# EAGLE board ControlModule-pan2 (EAGLE 7.2.0), part 8 of 9 (continued)
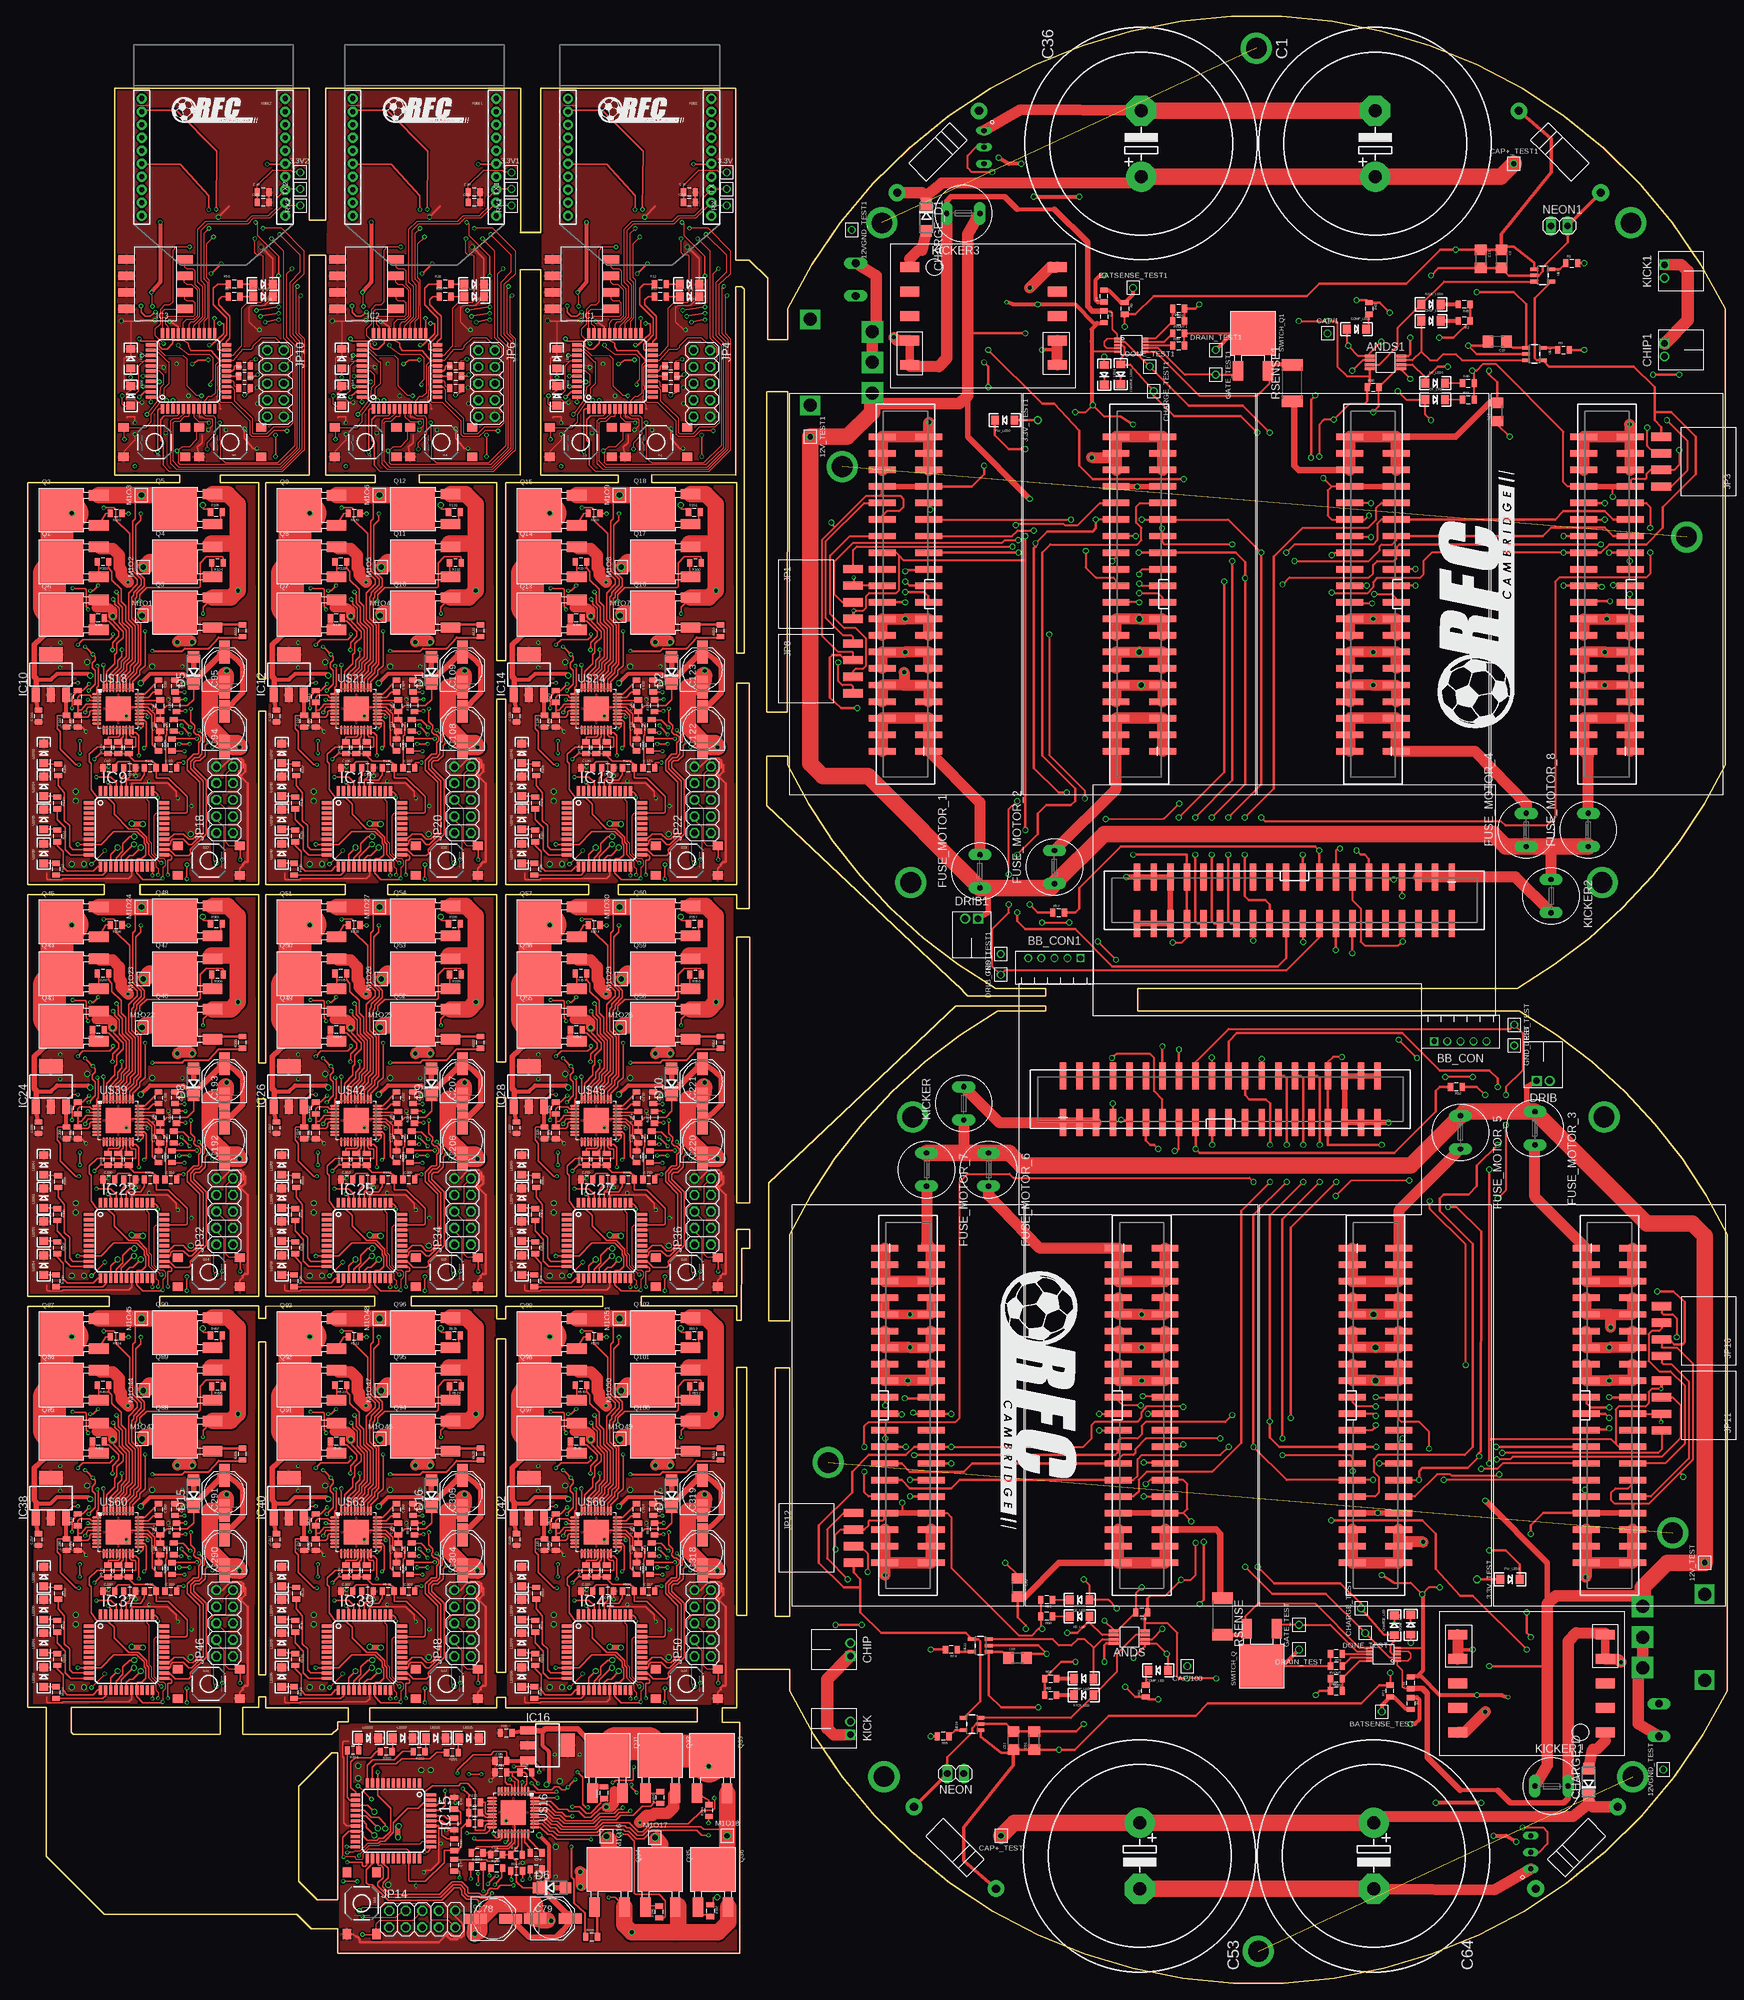
[diagram p0: board, top side]
## Tracks (layer width: path | path; a pad name or v marks a point on that pad's centre or on a via) (continued)
N$596  (via drill 0.3)
  Top 0.254: v98.17,65.29 96.93,66.53 v96.93,66.67
  Bottom 0.254: R545.2 97.41,60.01 97.2,60.01 96.57,60.65 96.57,61.44 96.73,61.6 97.84,61.6 98.79,62.55 98.79,63.34 98.95,63.5 98.95,63.98 98.17,64.76 v98.17,65.29 | v96.93,66.67 93.79,66.68 JP49.25
N$597
  Top 0.254: IC41.40 87.67,58.59 88.15,59.06 88.15,60.06 C315.2
N$598
  Top 0.254: U$66.30 91.25,71.47 C314.1
N$599
  Top 0.254: U$66.28 93.27,70.47 C322.2
N$600
  Top 0.254: U$66.25 91.67,68.97 92.38,68.26 92.38,66.17 92.4,66.16 92.4,66.15 92.44,66.11 92.44,63.71 C313.2
N$601  (via drill 0.3)
  Top 0.254: U$66.20 89.45,65.57 89.58,65.57 89.9,65.57 90.38,65.09 v90.38,62.07 | v97.36,62.71 96.04,62.71 R555.1
  Bottom 0.254: v90.38,62.07 91.81,62.71 v97.36,62.71
N$602
  Top 0.254: U$66.18 88.45,64.52 R566.2
N$603
  Top 0.254: U$66.17 87.95,64.96 87.21,64.22 R561.2
N$604
  Top 0.254: 87.45,65.34 U$66.16 87.45,65.14 87.22,64.91 85.64,64.91 | 85.64,64.91 R567.2 | 85.64,64.91
N$605  (via drill 0.3)
  Top 0.254: U$66.22 90.54,67.47 91.17,67.47 91.49,67.15 91.49,63.5 v91.17,63.19 | v97.52,68.9 96.04,68.9 R568.1
  Bottom 0.254: v91.17,63.19 96.89,63.19 97.36,63.5 97.36,65.07 97.52,65.23 97.52,66.32 97.62,66.42 97.62,67.09 97.84,67.31 97.84,68.58 v97.52,68.9
N$606
  Bottom 0.254: R569.2 96.73,53.34 96.09,53.98 96.09,54.66 95.62,55.14 95.62,55.7 96.09,56.17 96.09,57.19 95.34,57.95 94.03,57.95 | 94.03,57.95 | JP49.31 93.71,59.13 93.71,58.26 94.03,57.95
N$607
  Top 0.254: 81.01,69.06 81.55,69.06 82.33,69.97 U$66.4 | 81.01,69.85 80.95,69.97 R571.1 81.01,70.96 81.34,71.29 82.83,71.29 83.16,70.96 83.3,70.96 U$66.2 | 83.78,68.97 U$66.6 83.05,68.97 82.84,68.76 82.84,68.3 82.52,67.98 81.24,67.98 R570.2
  Top 0.305: R571.1 81.01,69.85 81.01,69.06 R570.2
N$608
  Top 0.254: U$66.29 91.81,70.97 92.6,71.76 93.34,71.76 C314.2
O1  (via drill 0.3, 0.6)
  Top 0.254: 28.36,212.63 Q3.SOURCE 26.88,211.18 v26.88,210.19 | v18,207.49 17.99,207.01 17.99,202.22 17.19,201.43 17.19,200.82 16.11,199.74 U$18.31
  Top 0.813: 28.15,220.91 28.15,220.43 Q4.SOURCE
  Top 2.54: Q5.SOURCE 30.7,228.52 32.24,226.98 32.24,220.5 | 32.24,220.5 v32.24,213.75 31.12,212.63 28.36,212.63 | 32.24,220.5 32.17,220.43 32.17,220.91 28.15,220.91
  Bottom 0.254: v18,207.49 23.26,207.49 24.21,206.54 24.21,204.57 24.72,204.06 27,204.06 27.51,204.57 27.51,208.38 26.75,209.14 26.75,210.06 v26.88,210.19
  Bottom 2.54: R124.2 32.24,211.66 v32.24,213.75
O2  (via drill 0.3, 0.6)
  Top 0.254: 64.87,212.63 Q10.SOURCE 63.39,211.18 v63.39,210.19 | v54.51,207.49 54.5,207.01 54.5,202.22 53.71,201.43 53.71,200.82 52.62,199.74 U$21.31
  Top 0.813: 64.66,220.91 64.66,220.43 Q11.SOURCE
  Top 2.54: Q12.SOURCE 67.21,228.52 68.75,226.98 68.75,220.5 | 68.75,220.5 v68.75,213.75 67.64,212.63 64.87,212.63 | 68.75,220.5 68.68,220.43 68.68,220.91 64.66,220.91
  Bottom 0.254: v54.51,207.49 59.77,207.49 60.72,206.54 60.72,204.57 61.23,204.06 63.52,204.06 64.02,204.57 64.02,208.38 63.26,209.14 63.26,210.06 v63.39,210.19
  Bottom 2.54: R152.2 68.75,211.66 v68.75,213.75
O3  (via drill 0.3, 0.6)
  Top 0.254: 101.7,212.63 Q16.SOURCE 100.22,211.18 v100.22,210.19 | v91.34,207.49 91.33,207.01 91.33,202.22 90.54,201.43 90.54,200.82 89.45,199.74 U$24.31
  Top 0.813: 101.49,220.91 101.49,220.43 Q17.SOURCE
  Top 2.54: Q18.SOURCE 104.04,228.52 105.58,226.98 105.58,220.5 | 105.58,220.5 v105.58,213.75 104.47,212.63 101.7,212.63 | 105.58,220.5 105.51,220.43 105.51,220.91 101.49,220.91
  Bottom 0.254: v91.34,207.49 96.6,207.49 97.55,206.54 97.55,204.57 98.06,204.06 100.35,204.06 100.85,204.57 100.85,208.38 100.09,209.14 100.09,210.06 v100.22,210.19
  Bottom 2.54: R180.2 105.58,211.66 v105.58,213.75
O6  (via drill 0.3, 0.6)
  Top 0.254: 91.54,11.7 Q34.SOURCE 90.09,13.18 v89.1,13.18 | v86.4,22.06 85.92,22.07 81.13,22.07 80.34,22.86 79.73,22.86 78.65,23.95 U$16.31
  Top 0.813: 99.82,11.91 99.34,11.91 Q35.SOURCE
  Top 2.54: Q36.SOURCE 107.43,9.36 105.89,7.81 99.41,7.81 | 99.41,7.81 v92.66,7.81 v92.66,7.82 91.54,8.93 91.54,11.7 | 99.41,7.81 99.34,7.89 99.82,7.89 99.82,11.91
  Bottom 0.254: v86.4,22.06 86.4,16.8 85.45,15.85 83.48,15.85 82.97,15.34 82.97,13.05 83.48,12.54 87.29,12.54 88.05,13.31 88.97,13.31 v89.1,13.18
  Bottom 2.54: R216.2 90.57,7.82 v92.66,7.82
O8  (via drill 0.3, 0.6)
  Top 0.254: 28.36,149.45 Q46.SOURCE 26.88,148 v26.88,147.01 | v18,144.31 17.99,143.83 17.99,139.04 17.19,138.24 17.19,137.64 16.11,136.56 U$39.31
  Top 0.813: 28.15,157.72 28.15,157.24 Q47.SOURCE
  Top 2.54: Q48.SOURCE 30.7,165.34 32.24,163.8 32.24,157.31 | 32.24,157.31 v32.24,150.57 v32.24,150.56 31.12,149.45 28.36,149.45 | 32.24,157.31 32.17,157.24 32.17,157.72 28.15,157.72
  Bottom 0.254: v18,144.31 23.26,144.31 24.21,143.35 24.21,141.39 24.72,140.88 27,140.88 27.51,141.39 27.51,145.2 26.75,145.96 26.75,146.88 v26.88,147.01
  Bottom 2.54: R320.2 32.24,148.48 v32.24,150.56
O9  (via drill 0.3, 0.6)
  Top 0.254: 64.87,149.45 Q52.SOURCE 63.39,148 v63.39,147.01 | v54.51,144.31 54.5,143.83 54.5,139.04 53.71,138.24 53.71,137.64 52.62,136.56 U$42.31
  Top 0.813: 64.66,157.72 64.66,157.24 Q53.SOURCE
  Top 2.54: Q54.SOURCE 67.21,165.34 68.75,163.8 68.75,157.31 | 68.75,157.31 v68.75,150.57 v68.75,150.56 67.64,149.45 64.87,149.45 | 68.75,157.31 68.68,157.24 68.68,157.72 64.66,157.72
  Bottom 0.254: v54.51,144.31 59.77,144.31 60.72,143.35 60.72,141.39 61.23,140.88 63.52,140.88 64.02,141.39 64.02,145.2 63.26,145.96 63.26,146.88 v63.39,147.01
  Bottom 2.54: R348.2 68.75,148.48 v68.75,150.56
O10  (via drill 0.3, 0.6)
  Top 0.254: 101.7,149.45 Q58.SOURCE 100.22,148 v100.22,147.01 | v91.34,144.31 91.33,143.83 91.33,139.04 90.54,138.24 90.54,137.64 89.45,136.56 U$45.31
  Top 0.813: 101.49,157.72 101.49,157.24 Q59.SOURCE
  Top 2.54: Q60.SOURCE 104.04,165.34 105.58,163.8 105.58,157.31 | 105.58,157.31 v105.58,150.57 v105.58,150.56 104.47,149.45 101.7,149.45 | 105.58,157.31 105.51,157.24 105.51,157.72 101.49,157.72
  Bottom 0.254: v91.34,144.31 96.6,144.31 97.55,143.35 97.55,141.39 98.06,140.88 100.35,140.88 100.85,141.39 100.85,145.2 100.09,145.96 100.09,146.88 v100.22,147.01
  Bottom 2.54: R376.2 105.58,148.48 v105.58,150.56
O15  (via drill 0.3, 0.6)
  Top 0.254: 28.36,86.26 Q88.SOURCE 26.88,84.82 v26.88,83.82 | v18,81.13 17.99,80.65 17.99,75.85 17.19,75.06 17.19,74.46 16.11,73.37 U$60.31
  Top 0.813: 28.15,94.54 28.15,94.06 Q89.SOURCE
  Top 2.54: Q90.SOURCE 30.7,102.16 32.24,100.62 32.24,94.13 | 32.24,94.13 v32.24,87.38 31.12,86.26 28.36,86.26 | 32.24,94.13 32.17,94.06 32.17,94.54 28.15,94.54
  Bottom 0.254: v18,81.13 23.26,81.12 24.21,80.17 24.21,78.2 24.72,77.7 27,77.7 27.51,78.2 27.51,82.01 26.75,82.78 26.75,83.7 v26.88,83.82
  Bottom 2.54: R516.2 32.24,85.3 v32.24,87.38
O16  (via drill 0.3, 0.6)
  Top 0.254: 64.87,86.26 Q94.SOURCE 63.39,84.82 v63.39,83.82 | v54.51,81.13 54.5,80.65 54.5,75.85 53.71,75.06 53.71,74.46 52.62,73.37 U$63.31
  Top 0.813: 64.66,94.54 64.66,94.06 Q95.SOURCE
  Top 2.54: Q96.SOURCE 67.21,102.16 68.75,100.62 68.75,94.13 | 68.75,94.13 v68.75,87.38 67.64,86.26 64.87,86.26 | 68.75,94.13 68.68,94.06 68.68,94.54 64.66,94.54
  Bottom 0.254: v54.51,81.13 59.77,81.12 60.72,80.17 60.72,78.2 61.23,77.7 63.52,77.7 64.02,78.2 64.02,82.01 63.26,82.78 63.26,83.7 v63.39,83.82
  Bottom 2.54: R544.2 68.75,85.3 v68.75,87.38
O17  (via drill 0.3, 0.6)
  Top 0.254: 101.7,86.26 Q100.SOURCE 100.22,84.82 v100.22,83.82 | v91.34,81.13 91.33,80.65 91.33,75.85 90.54,75.06 90.54,74.46 89.45,73.37 U$66.31
  Top 0.813: 101.49,94.54 101.49,94.06 Q101.SOURCE
  Top 2.54: Q102.SOURCE 104.04,102.16 105.58,100.62 105.58,94.13 | 105.58,94.13 v105.58,87.38 104.47,86.26 101.7,86.26 | 105.58,94.13 105.51,94.06 105.51,94.54 101.49,94.54
  Bottom 0.254: v91.34,81.13 96.6,81.12 97.55,80.17 97.55,78.2 98.06,77.7 100.35,77.7 100.85,78.2 100.85,82.01 100.09,82.78 100.09,83.7 v100.22,83.82
  Bottom 2.54: R572.2 105.58,85.3 v105.58,87.38
PWM1  (via drill 0.3)
  Top 0.152: 18.55,173.25 19.73,172.09 19.73,171.29 19.98,171.04 v19.98,170.1
  Top 0.254: U$18.19 15.61,192.55 15.61,191.54 15.6,191.54 15.91,191.23 16.46,191.23 16.56,191.14 16.56,189.74 10.68,189.74 9.41,188.6 9.41,187.49 9.73,187.17 9.73,183.2 10.68,181.93 12.27,181.93 13.22,180.98 13.22,179.4 15.46,177.16 16.91,177.16 18.25,175.82 18.25,175.12 18.55,174.82 18.55,173.25 | IC9.23 20.92,173.2 21.01,173.11 21.88,173.11 22.11,172.88 22.11,172.56 21.96,172.41 21.48,172.41 v21.48,170.11 v21.49,170.11
  Bottom 0.152: v19.98,170.1 20.25,170.37 21.23,170.37 v21.49,170.11
PWM2  (via drill 0.3)
  Top 0.152: 55.06,173.25 56.25,172.09 56.25,171.29 56.5,171.04 v56.5,170.1
  Top 0.254: U$21.19 52.12,192.55 52.12,191.54 52.42,191.23 52.97,191.23 53.07,191.14 53.07,189.74 47.2,189.74 45.93,188.6 45.93,187.49 46.24,187.17 46.24,183.2 47.2,181.93 48.78,181.93 49.74,180.98 49.74,179.4 51.98,177.16 53.42,177.16 54.77,175.82 54.77,175.12 55.06,174.82 55.06,173.25 | IC11.23 57.44,173.2 57.52,173.11 58.39,173.11 58.63,172.88 58.63,172.56 58.47,172.41 57.99,172.41 v57.99,170.11 v58,170.11
  Bottom 0.152: v56.5,170.1 56.76,170.37 57.74,170.37 v58,170.11
PWM3  (via drill 0.3)
  Top 0.152: 91.89,173.25 93.08,172.09 93.08,171.29 93.33,171.04 v93.33,170.1
  Top 0.254: U$24.19 88.95,192.55 88.95,191.54 89.25,191.23 89.8,191.23 89.9,191.14 89.9,189.74 84.03,189.74 82.76,188.6 82.76,187.49 83.07,187.17 83.07,183.2 84.03,181.93 85.61,181.93 86.57,180.98 86.57,179.4 88.81,177.16 90.25,177.16 91.6,175.82 91.6,175.12 91.89,174.82 91.89,173.25 | IC13.23 94.27,173.2 94.35,173.11 95.22,173.11 95.46,172.88 95.46,172.56 95.3,172.41 94.82,172.41 v94.82,170.11 v94.83,170.11
  Bottom 0.152: v93.33,170.1 93.59,170.37 94.57,170.37 v94.83,170.11
PWM6  (via drill 0.3)
  Top 0.152: 52.16,21.51 51,20.32 50.21,20.32 49.95,20.07 v49.01,20.07
  Top 0.254: U$16.19 71.47,24.45 70.45,24.45 70.15,24.15 70.15,23.59 70.05,23.5 68.65,23.5 68.65,29.37 67.51,30.64 66.4,30.64 66.08,30.32 62.11,30.32 60.84,29.37 60.84,27.78 59.89,26.83 58.31,26.83 56.07,24.59 56.07,23.15 54.73,21.8 54.03,21.8 53.73,21.5 52.17,21.5 52.16,21.51 | IC15.23 52.11,19.13 52.03,19.05 52.03,18.17 51.79,17.94 51.48,17.94 51.32,18.1 51.32,18.58 49.02,18.58 v49.02,18.57
  Bottom 0.152: v49.01,20.07 49.28,19.8 49.28,18.83 v49.02,18.57
PWM8  (via drill 0.3)
  Top 0.152: 18.55,110.07 19.73,108.91 19.73,108.11 19.98,107.86 v19.98,106.92
  Top 0.254: U$39.19 15.61,129.37 15.61,128.36 15.6,128.36 15.91,128.05 16.46,128.05 16.56,127.96 16.56,126.56 10.68,126.56 9.41,125.42 9.41,124.3 9.73,123.99 9.73,120.02 10.68,118.75 12.27,118.75 13.22,117.8 13.22,116.22 15.46,113.98 16.91,113.98 18.25,112.64 18.25,111.94 18.55,111.64 18.55,110.07 | IC23.23 20.92,110.02 21.01,109.93 21.88,109.93 22.11,109.7 22.11,109.38 21.96,109.22 21.48,109.22 21.48,106.93 v21.49,106.92
  Bottom 0.152: v19.98,106.92 20.25,107.18 21.23,107.18 v21.49,106.92
PWM9  (via drill 0.3)
  Top 0.152: 55.06,110.07 56.25,108.91 56.25,108.11 56.5,107.86 v56.5,106.92
  Top 0.254: U$42.19 52.12,129.37 52.12,128.36 52.42,128.05 52.97,128.05 53.07,127.96 53.07,126.56 47.2,126.56 45.93,125.42 45.93,124.3 46.24,123.99 46.24,120.02 47.2,118.75 48.78,118.75 49.74,117.8 49.74,116.22 51.98,113.98 53.42,113.98 54.77,112.64 54.77,111.94 55.06,111.64 55.06,110.07 | IC25.23 57.44,110.02 57.52,109.93 58.39,109.93 58.63,109.7 58.63,109.38 58.47,109.22 57.99,109.22 57.99,106.93 v58,106.92
  Bottom 0.152: v56.5,106.92 56.76,107.18 57.74,107.18 v58,106.92
PWM10  (via drill 0.3)
  Top 0.152: 91.89,110.07 93.08,108.91 93.08,108.11 93.33,107.86 v93.33,106.92
  Top 0.254: U$45.19 88.95,129.37 88.95,128.36 89.25,128.05 89.8,128.05 89.9,127.96 89.9,126.56 84.03,126.56 82.76,125.42 82.76,124.3 83.07,123.99 83.07,120.02 84.03,118.75 85.61,118.75 86.57,117.8 86.57,116.22 88.81,113.98 90.25,113.98 91.6,112.64 91.6,111.94 91.89,111.64 91.89,110.07 | IC27.23 94.27,110.02 94.35,109.93 95.22,109.93 95.46,109.7 95.46,109.38 95.3,109.22 94.82,109.22 94.82,106.93 v94.83,106.92
  Bottom 0.152: v93.33,106.92 93.59,107.18 94.57,107.18 v94.83,106.92
PWM15  (via drill 0.3)
  Top 0.152: 18.55,46.89 19.73,45.72 19.73,44.93 19.98,44.68 v19.98,43.73
  Top 0.254: U$60.19 15.61,66.19 15.61,65.18 15.6,65.17 15.91,64.87 16.46,64.87 16.56,64.77 16.56,63.38 10.68,63.38 9.41,62.23 9.41,61.12 9.73,60.8 9.73,56.84 10.68,55.57 12.27,55.57 13.22,54.61 13.22,53.04 15.46,50.8 16.91,50.8 18.25,49.45 18.25,48.76 18.55,48.46 18.55,46.89 | IC37.23 20.92,46.83 21.01,46.75 21.88,46.75 22.11,46.52 22.11,46.2 21.96,46.04 21.48,46.04 v21.48,43.75 v21.49,43.74
  Bottom 0.152: v19.98,43.73 20.25,44 21.23,44 v21.49,43.74
PWM16  (via drill 0.3)
  Top 0.152: 55.06,46.89 56.25,45.72 56.25,44.93 56.5,44.68 v56.5,43.73
  Top 0.254: U$63.19 52.12,66.19 52.12,65.18 52.12,65.17 52.42,64.87 52.97,64.87 53.07,64.77 53.07,63.38 47.2,63.38 45.93,62.23 45.93,61.12 46.24,60.8 46.24,56.84 47.2,55.57 48.78,55.57 49.74,54.61 49.74,53.04 51.98,50.8 53.42,50.8 54.77,49.45 54.77,48.76 55.06,48.46 55.06,46.89 | IC39.23 57.44,46.83 57.52,46.75 58.39,46.75 58.63,46.52 58.63,46.2 58.47,46.04 57.99,46.04 v57.99,43.75 v58,43.74
  Bottom 0.152: v56.5,43.73 56.76,44 57.74,44 v58,43.74
PWM17  (via drill 0.3)
  Top 0.152: 91.89,46.89 93.08,45.72 93.08,44.93 93.33,44.68 v93.33,43.73
  Top 0.254: U$66.19 88.95,66.19 88.95,65.18 88.95,65.17 89.25,64.87 89.8,64.87 89.9,64.77 89.9,63.38 84.03,63.38 82.76,62.23 82.76,61.12 83.07,60.8 83.07,56.84 84.03,55.57 85.61,55.57 86.57,54.61 86.57,53.04 88.81,50.8 90.25,50.8 91.6,49.45 91.6,48.76 91.89,48.46 91.89,46.89 | IC41.23 94.27,46.83 94.35,46.75 95.22,46.75 95.46,46.52 95.46,46.2 95.3,46.04 94.82,46.04 v94.82,43.75 v94.83,43.74
  Bottom 0.152: v93.33,43.73 93.59,44 94.57,44 v94.83,43.74
RESET  (via drill 0.38, 0.41 pad 0.25)
  Top 0.152: IC1.35 85.13,250.62 86.9,248.85 87.06,248.85 87.06,245.51 86.26,244.72 86.26,243.93 85.71,242.74 84.36,240.83
  Top 0.178: v80.23,236.94 80.23,238.73 S3.4 83.46,238.75 84.36,239.64 84.36,240.83
  Top 0.254: v103.41,237.58 v103.41,234.27
  Bottom 0.178: v103.41,234.27 101.18,232.18 82.45,232.18 v81.82,232.81 81.5,233.13 81.5,235.67 v80.23,236.94
  Bottom 0.254: R22.1 81.55,233.08 v81.82,232.81 | v103.41,237.58 103.41,244.24 JP4.6
RESET1  (via drill 0.38, 0.41 pad 0.25)
  Top 0.152: IC2.35 52.11,250.62 53.88,248.85 54.04,248.85 54.04,245.51 53.24,244.72 53.24,243.93 52.69,242.74 51.34,240.83
  Top 0.178: v47.21,236.94 47.21,238.73 S2.4 50.44,238.75 51.34,239.64 51.34,240.83
  Top 0.254: v70.39,237.58 v70.39,234.27
  Bottom 0.178: v70.39,234.27 68.16,232.18 49.43,232.18 v48.8,232.81 48.48,233.13 48.48,235.67 v47.21,236.94
  Bottom 0.254: R34.1 48.53,233.08 v48.8,232.81 | v70.39,237.58 70.39,244.24 JP6.6
RESET2  (via drill 0.38, 0.41 pad 0.25)
  Top 0.152: IC3.35 19.72,250.62 21.49,248.85 21.65,248.85 21.65,245.51 20.86,244.72 20.86,243.93 20.3,242.74 18.95,240.83
  Top 0.178: v14.82,236.94 14.82,238.73 S5.4 18.06,238.75 18.95,239.64 18.95,240.83
  Top 0.254: v38,237.58 v38,234.27
  Bottom 0.178: v38,234.27 35.78,232.18 17.05,232.18 v16.41,232.81 16.09,233.13 16.09,235.67 v14.82,236.94
  Bottom 0.254: R62.1 16.15,233.08 v16.41,232.81 | v38,237.58 38,244.24 JP10.6
RESET6  (via drill 0.3, 0.38)
  Top 0.152: v50.84,19.57 51,19.85 52.27,21.12 53.86,21.12 54.17,21.43 60.21,21.43 60.52,21.75 61.38,21.75 | S11.2 53.47,9.14 54.02,9.69 59.1,9.69 JP14.6
  Top 0.254: v50.55,15.64 v48.38,15.67 | 61.38,21.75 IC15.35 | v51.35,7.47 53.39,7.46 S11.2
  Bottom 0.178: R209.1 50.1,12.34 50.05,12.39 50.05,15.17 50.53,15.65 50.61,15.65 50.68,15.72
  Bottom 0.254: v50.84,19.57 50.68,19.37 50.68,15.72 v50.55,15.64 | v48.38,15.67 48.33,10.13 49.25,9.21 49.61,9.21 v51.35,7.47
RESET8  (via drill 0.3, 0.38)
  Top 0.152: v20.49,171.92 20.21,172.09 18.94,173.36 18.94,174.95 18.62,175.26 18.62,181.3 18.3,181.61 18.3,182.47 | S17.2 30.92,174.56 30.37,175.1 30.37,180.18 JP18.6
  Top 0.254: v24.42,171.64 v24.39,169.47 | 18.3,182.47 IC9.35 | v32.59,172.44 32.59,174.48 S17.2
  Bottom 0.178: R117.1 27.72,171.19 27.67,171.14 24.89,171.14 24.41,171.62 24.41,171.7 24.34,171.77
  Bottom 0.254: v20.49,171.92 20.69,171.77 24.34,171.77 v24.42,171.64 | v24.39,169.47 29.92,169.42 30.85,170.34 30.85,170.69 v32.59,172.44
RESET9  (via drill 0.3, 0.38)
  Top 0.152: v57,171.92 56.72,172.09 55.45,173.36 55.45,174.95 55.13,175.26 55.13,181.3 54.82,181.61 54.82,182.47 | S18.2 67.43,174.56 66.88,175.1 66.88,180.18 JP20.6
  Top 0.254: v60.93,171.64 v60.9,169.47 | 54.82,182.47 IC11.35 | v69.1,172.44 69.1,174.48 S18.2
  Bottom 0.178: R145.1 64.23,171.19 64.18,171.14 61.4,171.14 60.92,171.62 60.92,171.7 60.85,171.77
  Bottom 0.254: v57,171.92 57.2,171.77 60.85,171.77 v60.93,171.64 | v60.9,169.47 66.43,169.42 67.36,170.34 67.36,170.69 v69.1,172.44
RESET10  (via drill 0.3, 0.38)
  Top 0.152: v93.83,171.92 93.55,172.09 92.28,173.36 92.28,174.95 91.96,175.26 91.96,181.3 91.65,181.61 91.65,182.47 | S19.2 104.26,174.56 103.71,175.1 103.71,180.18 JP22.6
  Top 0.254: v97.76,171.64 v97.73,169.47 | 91.65,182.47 IC13.35 | v105.93,172.44 105.93,174.48 S19.2
  Bottom 0.178: R173.1 101.06,171.19 101.01,171.14 98.23,171.14 97.75,171.62 97.75,171.7 97.68,171.77
  Bottom 0.254: v93.83,171.92 94.03,171.77 97.68,171.77 v97.76,171.64 | v97.73,169.47 103.26,169.42 104.19,170.34 104.19,170.69 v105.93,172.44
RESET15  (via drill 0.3, 0.38)
  Top 0.152: v20.49,108.74 20.21,108.91 18.94,110.18 18.94,111.76 18.62,112.08 18.62,118.11 18.3,118.43 18.3,119.28 | S24.2 30.92,111.37 30.37,111.92 30.37,117 JP32.6
  Top 0.254: v24.42,108.46 v24.39,106.29 | 18.3,119.28 IC23.35 | v32.59,109.25 32.59,111.3 S24.2
  Bottom 0.178: R313.1 27.72,108 27.67,107.95 24.89,107.95 24.41,108.44 24.41,108.52 24.34,108.59
  Bottom 0.254: v20.49,108.74 20.69,108.59 24.34,108.59 v24.42,108.46 | v24.39,106.29 29.92,106.24 30.85,107.16 30.85,107.51 v32.59,109.25
RESET16  (via drill 0.3, 0.38)
  Top 0.152: v57,108.74 56.72,108.91 55.45,110.18 55.45,111.76 55.13,112.08 55.13,118.11 54.82,118.43 54.82,119.28 | S25.2 67.43,111.37 66.88,111.92 66.88,117 JP34.6
  Top 0.254: v60.93,108.46 v60.9,106.29 | 54.82,119.28 IC25.35 | v69.1,109.25 69.1,111.3 S25.2
  Bottom 0.178: R341.1 64.23,108 64.18,107.95 61.4,107.95 60.92,108.44 60.92,108.52 60.85,108.59
  Bottom 0.254: v57,108.74 57.2,108.59 60.85,108.59 v60.93,108.46 | v60.9,106.29 66.43,106.24 67.36,107.16 67.36,107.51 v69.1,109.25
RESET17  (via drill 0.3, 0.38)
  Top 0.152: v93.83,108.74 93.55,108.91 92.28,110.18 92.28,111.76 91.96,112.08 91.96,118.11 91.65,118.43 91.65,119.28 | S26.2 104.26,111.37 103.71,111.92 103.71,117 JP36.6
  Top 0.254: v97.76,108.46 v97.73,106.29 | 91.65,119.28 IC27.35 | v105.93,109.25 105.93,111.3 S26.2
  Bottom 0.178: R369.1 101.06,108 101.01,107.95 98.23,107.95 97.75,108.44 97.75,108.52 97.68,108.59
  Bottom 0.254: v93.83,108.74 94.03,108.59 97.68,108.59 v97.76,108.46 | v97.73,106.29 103.26,106.24 104.19,107.16 104.19,107.51 v105.93,109.25
RESET22  (via drill 0.3, 0.38)
  Top 0.152: v20.49,45.56 20.21,45.72 18.94,46.99 18.94,48.58 18.62,48.9 18.62,54.93 18.3,55.25 18.3,56.1 | S31.2 30.92,48.19 30.37,48.74 30.37,53.82 JP46.6
  Top 0.254: v24.42,45.28 v24.39,43.1 | 18.3,56.1 IC37.35 | v32.59,46.07 32.59,48.11 S31.2
  Bottom 0.178: R509.1 27.72,44.82 27.67,44.77 24.89,44.77 24.41,45.25 24.41,45.34 24.34,45.41
  Bottom 0.254: v20.49,45.56 20.69,45.41 24.34,45.41 v24.42,45.28 | v24.39,43.1 29.92,43.05 30.85,43.98 30.85,44.33 v32.59,46.07
RESET23  (via drill 0.3, 0.38)
  Top 0.152: v57,45.56 56.72,45.72 55.45,46.99 55.45,48.58 55.13,48.9 55.13,54.93 54.82,55.25 54.82,56.1 | S32.2 67.43,48.19 66.88,48.74 66.88,53.82 JP48.6
  Top 0.254: v60.93,45.28 v60.9,43.1 | 54.82,56.1 IC39.35 | v69.1,46.07 69.1,48.11 S32.2
  Bottom 0.178: R537.1 64.23,44.82 64.18,44.77 61.4,44.77 60.92,45.25 60.92,45.34 60.85,45.41
  Bottom 0.254: v57,45.56 57.2,45.41 60.85,45.41 v60.93,45.28 | v60.9,43.1 66.43,43.05 67.36,43.98 67.36,44.33 v69.1,46.07
RESET24  (via drill 0.3, 0.38)
  Top 0.152: v93.83,45.56 93.55,45.72 92.28,46.99 92.28,48.58 91.96,48.9 91.96,54.93 91.65,55.25 91.65,56.1 | S33.2 104.26,48.19 103.71,48.74 103.71,53.82 JP50.6
  Top 0.254: v97.76,45.28 v97.73,43.1 | 91.65,56.1 IC41.35 | v105.93,46.07 105.93,48.11 S33.2
  Bottom 0.178: R565.1 101.06,44.82 101.01,44.77 98.23,44.77 97.75,45.25 97.75,45.34 97.68,45.41
  Bottom 0.254: v93.83,45.56 94.03,45.41 97.68,45.41 v97.76,45.28 | v97.73,43.1 103.26,43.05 104.19,43.98 104.19,44.33 v105.93,46.07
RLED1  (via drill 0.41)
  Top 0.152: v81.18,243.61 81.58,243.61 82.45,244.4 82.45,248.21 83.25,249.01 84.26,249.01
  Top 0.254: 84.26,249.01 IC1.37
  Bottom 0.178: 82.08,244.51 v81.18,243.61
  Bottom 0.254: R11.2 82.08,244.51
RLED2
  Top 0.254: IC1.22 95.87,251.95 96.42,252.5 96.42,255.83 96.26,255.99 95.87,256.39 95.86,256.39 94.68,257.58 94.68,258.37 95.15,258.85 R17.2
RLED3  (via drill 0.41)
  Top 0.152: v48.16,243.61 48.56,243.61 49.43,244.4 49.43,248.21 50.23,249.01 51.24,249.01
  Top 0.254: 51.24,249.01 IC2.37
  Bottom 0.178: 49.06,244.51 v48.16,243.61
  Bottom 0.254: R27.2 49.06,244.51
RLED4
  Top 0.254: IC2.22 62.85,251.95 63.4,252.5 63.4,255.83 63.24,255.99 62.85,256.39 62.84,256.39 61.66,257.58 61.66,258.37 62.13,258.85 R29.2
RLED5  (via drill 0.41)
  Top 0.152: v15.78,243.61 16.17,243.61 17.05,244.4 17.05,248.21 17.84,249.01 18.85,249.01
  Top 0.254: 18.85,249.01 IC3.37
  Bottom 0.178: 16.68,244.51 v15.78,243.61
  Bottom 0.254: R55.2 16.68,244.51
RLED6
  Top 0.254: IC3.22 30.47,251.95 31.02,252.5 31.02,255.83 30.86,255.99 30.47,256.39 30.46,256.39 29.27,257.58 29.27,258.37 29.75,258.85 R57.2
RTS  (via drill 0.41)
  Top 0.178: IC1.25 92.47,255.06 92.91,255.5 92.91,261.04 92.45,261.5 92.45,268.57 v93.2,269.29
  Top 0.254: v93.17,272.19 93.17,274.29 88.8,279.17 82.95,279.17 XBEE.16
  Bottom 0.254: v93.2,269.29 v93.17,272.19
RTS1  (via drill 0.41)
  Top 0.178: IC2.25 59.45,255.06 59.89,255.5 59.89,261.04 59.43,261.5 59.43,268.57 v60.18,269.29
  Top 0.254: v60.15,272.19 60.15,274.29 55.78,279.17 49.93,279.17 XBEE1.16
  Bottom 0.254: v60.18,269.29 v60.15,272.19
RTS2  (via drill 0.41)
  Top 0.178: IC3.25 27.07,255.06 27.51,255.5 27.51,261.04 27.05,261.5 27.05,268.57 v27.79,269.29
  Top 0.254: v27.77,272.19 27.77,274.29 23.4,279.17 17.54,279.17 XBEE2.16
  Bottom 0.254: v27.79,269.29 v27.77,272.19
RX
  Top 0.178: RX.P$1 105.3,272.82 XBEE.2 102.56,270.91 100.1,270.91 99.22,270.02 92.99,270.02 91.98,269.01 91.98,261.27 92.54,260.7 92.54,255.61 91.67,254.73 IC1.26
RX1
  Top 0.178: RX1.P$1 72.28,272.82 XBEE1.2 69.54,270.91 67.08,270.91 66.2,270.02 59.97,270.02 58.96,269.01 58.96,261.27 59.52,260.7 59.52,255.61 58.65,254.73 IC2.26
RX2
  Top 0.178: RX2.P$1 39.89,272.82 XBEE2.2 37.16,270.91 34.7,270.91 33.81,270.02 27.59,270.02 26.57,269.01 26.57,261.27 27.14,260.7 27.14,255.61 26.27,254.73 IC3.26
SCK  (via drill 0.6)
  Top 0.305: MOTOR5.29 v160.05,224.62 | v170.92,224.62 MOTOR6.29 184.18,224.62 v189.26,219.54 | MOTOR7.29 207.67,224.62 207.04,223.99 207.04,221.45 206.4,220.81 194.34,220.81 v193.07,219.54
  Top 0.406: COM_BOARD1.28 184.57,162.63 184.18,163.03 v184.18,173.19 | v184.18,178.9 189.26,183.98 v189.26,219.54 | MOTOR8.29 243.23,224.62 241.96,225.89 235.61,225.89 234.34,224.62 MOTOR7.29
  Bottom 0.305: v160.05,224.62 160.21,224.62 161.08,223.75 170.05,223.75 v170.92,224.62
  Bottom 0.406: v184.18,173.19 v184.18,178.9 | v193.07,219.54 v189.26,219.54
SCK1
  Top 0.254: R20.1 97.22,248.21 97.06,248.05 97.06,247.74 96.74,247.42 IC1.17
SCK2
  Top 0.254: R32.1 64.2,248.21 64.04,248.05 64.04,247.74 63.72,247.42 IC2.17
SCK3
  Top 0.254: R60.1 31.81,248.21 31.65,248.05 31.65,247.74 31.33,247.42 IC3.17
SCK4  (via drill 0.6)
  Top 0.305: MOTOR1.29 v217.26,77.24 | v206.39,77.24 MOTOR2.29 193.13,77.24 v188.05,82.32 | MOTOR3.29 169.64,77.24 170.27,77.87 170.27,80.41 170.91,81.05 182.97,81.05 v184.24,82.32
  Top 0.406: COM_BOARD.28 192.74,139.23 193.13,138.83 v193.13,128.67 | v193.13,122.96 188.05,117.88 v188.05,82.32 | MOTOR4.29 134.08,77.24 135.35,75.97 141.7,75.97 142.97,77.24 MOTOR3.29
  Bottom 0.305: v217.26,77.24 217.1,77.24 216.23,78.11 207.26,78.11 v206.39,77.24
  Bottom 0.406: v193.13,128.67 v193.13,122.96 | v184.24,82.32 v188.05,82.32
SCK6  (via drill 0.6)
  Top 0.254: IC15.17 51.44,24.93 51.94,24.43 51.94,23.92 v53.18,22.72
  Bottom 0.254: R191.1 60.52,14.87 61.17,14.87 61.6,15.3 61.6,15.31 65.62,15.31 66.08,14.84 66.08,13.02 65.45,12.39 57.08,12.39 56.08,13.39 56.08,16.2 55.13,17.15 55.13,22.07 54.91,22.29 53.61,22.29 v53.18,22.72
SCK8  (via drill 0.6)
  Top 0.254: IC9.17 15.13,172.53 15.63,173.03 16.13,173.03 v17.34,174.27
  Bottom 0.254: R99.1 25.18,181.61 25.18,182.26 24.76,182.69 24.75,182.69 24.75,186.71 25.21,187.17 27.04,187.17 27.67,186.53 27.67,178.17 26.67,177.17 23.86,177.17 22.91,176.22 17.99,176.22 17.77,176 17.77,174.7 v17.34,174.27
SCK9  (via drill 0.6)
  Top 0.254: IC11.17 51.64,172.53 52.14,173.03 52.65,173.03 v53.85,174.27
  Bottom 0.254: R127.1 61.7,181.61 61.7,182.26 61.27,182.69 61.26,182.69 61.26,186.71 61.72,187.17 63.55,187.17 64.18,186.53 64.18,178.17 63.18,177.17 60.37,177.17 59.42,176.22 54.5,176.22 54.28,176 54.28,174.7 v53.85,174.27
SCK10  (via drill 0.6)
  Top 0.254: IC13.17 88.47,172.53 88.97,173.03 89.48,173.03 v90.68,174.27